# Altium PCB STM32_Serial_Ethernet.PcbDoc (part 1 of 2) (continued)
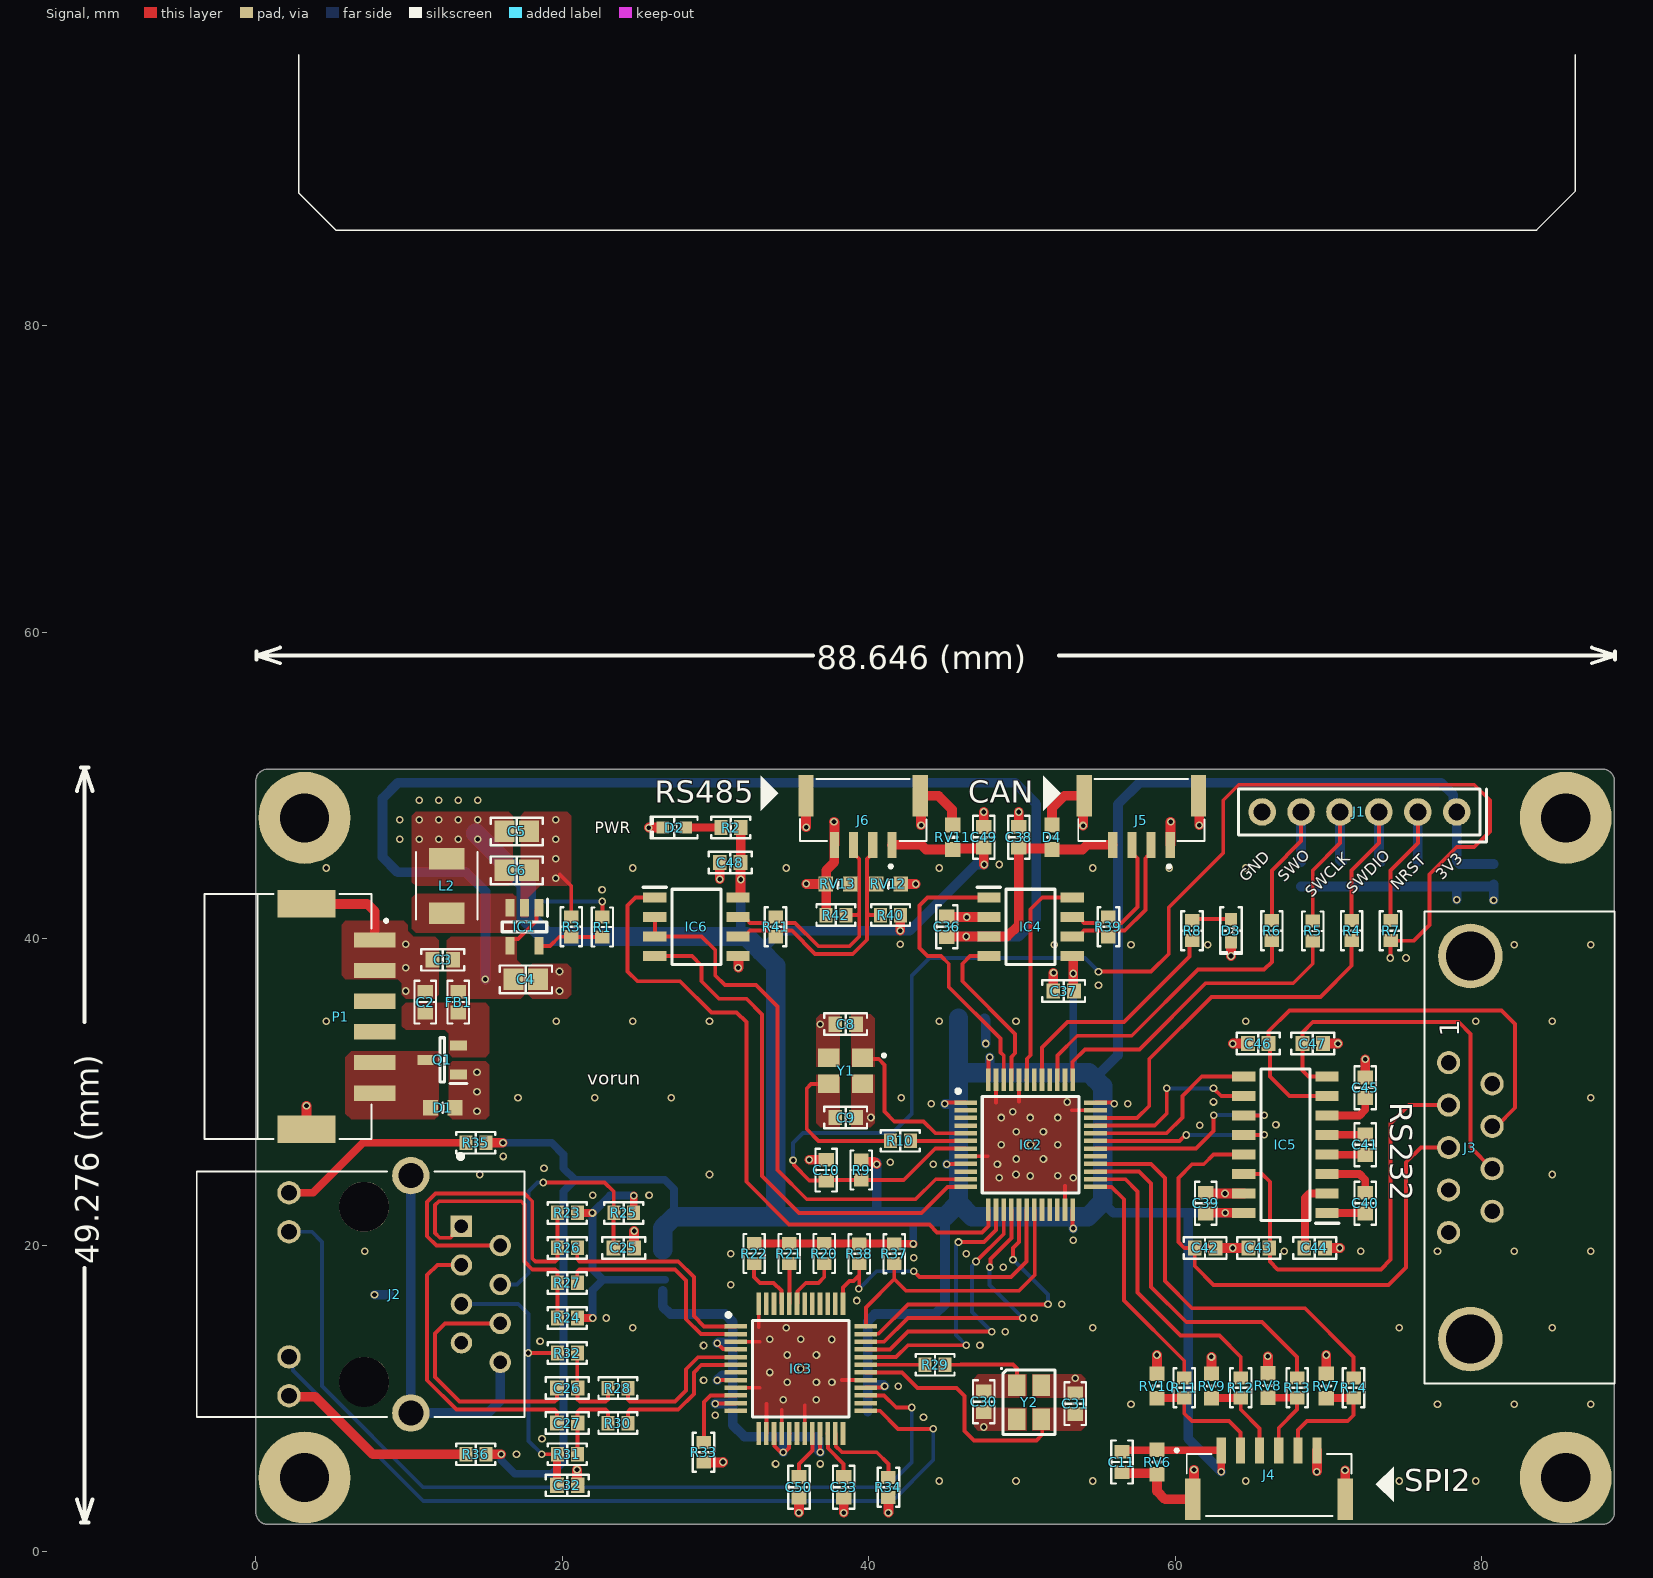
[diagram p0: Signal view]
## Classes and differential pairs
component class STM32: C2 C3 C4 C5 C6 C7 C8 C9 C10 C11 C12 C13 C14 C15 C16 C17 D1 D2 D3 FB1 IC1 IC2 J1 J4 L2 P1 Q1 R1 R2 R3 R4 R5 R6 R7 R8 R9 R10 R11 R12 R13 R14 RV1 RV2 RV3 RV4 RV5 RV6 RV7 RV8 RV9 RV10 Y1
component class Serial: C36 C37 C38 C39 C40 C41 C42 C43 C44 C45 C46 C47 C48 C49 D4 IC4 IC5 IC6 J3 J5 J6 R39 R40 R41 R42 RV11 RV12 RV13
component class Ethernet: C1 C18 C19 C20 C21 C22 C23 C24 C25 C26 C27 C29 C30 C31 C32 C33 C35 C50 FB2 IC3 J2 R20 R21 R22 R23 R24 R25 R26 R27 R28 R29 R30 R31 R32 R33 R34 R35 R36 R37 R38 Y2
differential pair TX: +TX_P -TX_N
differential pair TX1: +TX1_P -TX1_N
differential pair RX: +RX_P -RX_N
differential pair RX2: +RX2_P -RX2_N
differential pair RX1: +RX1_P -RX1_N
differential pair RS485_D: +RS485_D_P -RS485_D_N
differential pair CAN: +CAN_P -CAN_N

## Components (designator, comment, footprint, x,y, rotation, side; value= is the part's Value field where it differs from the comment)
C1 "4.7 µF" "CAP 0603_1608" 39.243,9.144 r0 bottom
C2 "0.1 µF" "CAP 0603_1608" 11.049,35.854 r270 top
C3 "0.1 µF" "CAP 0603_1608" 12.192,38.608 r0 top
C4 "4.7µF" "CAP 0805_2012" 17.615,37.338 r180 top
C5 "10 µF" "CAP 0805_2012" 17.018,46.99 r180 top
C6 "10 µF" "CAP 0805_2012" 17.018,44.45 r180 top
C7 "0.1 µF" "CAP 0603_1608" 80.772,44.196 r270 bottom
C8 "10pF" "CAP 0603_1608" 38.481,34.417 r0 top
C9 "10pF" "CAP 0603_1608" 38.481,28.321 r180 top
C10 "0.1 µF" "CAP 0603_1608" 37.211,24.892 r90 top
C11 "0.1 µF" "CAP 0603_1608" 56.515,5.842 r90 top
C12 "4.7µF" "CAP 0805_2012" 46.736,34.798 r180 bottom
C13 "0.1 µF" "CAP 0603_1608" 49.403,30.353 r270 bottom
C14 "0.1 µF" "CAP 0603_1608" 46.736,29.21 r0 bottom
C15 "0.1 µF" "CAP 0603_1608" 46.776,25.273 r0 bottom
C16 "0.1 µF" "CAP 0603_1608" 53.34,22.733 r90 bottom
C17 "0.1 µF" "CAP 0603_1608" 54.356,29.21 r180 bottom
C18 "0.1 µF" "CAP 0603_1608" 29.25,19.431 r0 bottom
C19 "0.1 µF" "CAP 0603_1608" 29.25,17.399 r0 bottom
C20 "0.1 µF" "CAP 0603_1608" 31.79,13.843 r0 bottom
C21 "0.1 µF" "CAP 0603_1608" 36.576,8.168 r90 bottom
C22 "0.1 µF" "CAP 0603_1608" 34.417,8.168 r90 bottom
C23 "0.1 µF" "CAP 0603_1608" 31.79,11.684 r0 bottom
C24 "0.1 µF" "CAP 0603_1608" 31.75,9.652 r0 bottom
C25 "10000pF" "CAP 0603_1608" 24.003,19.812 r180 top
C26 "6800pF" "CAP 0603_1608" 20.32,10.668 r180 top
C27 "6800pF" "CAP 0603_1608" 20.32,8.382 r180 top
C29 "0.1 µF" "CAP 0603_1608" 39.243,11.049 r180 bottom
C30 "18 pF" "CAP 0603_1608" 47.498,9.779 r90 top
C31 "18 pF" "CAP 0603_1608" 53.467,9.652 r270 top
C32 "10000pF" "CAP 0603_1608" 20.32,4.318 r180 top
C33 "10000pF" "CAP 0603_1608" 38.354,4.191 r90 top
C35 "10000pF" "CAP 0603_1608" 9.398,16.764 r180 bottom
C36 "0.1 µF" "CAP 0603_1608" 45.085,40.767 r90 top
C37 "0.1 µF" "CAP 0603_1608" 52.705,36.576 r0 top
C38 "0.1 µF" "CAP 0603_1608" 49.784,46.609 r270 top
C39 "0.1 µF" "CAP 0603_1608" 61.976,22.733 r270 top
C40 "0.1 µF" "CAP 0603_1608" 72.39,22.733 r90 top
C41 "0.1 µF" "CAP 0603_1608" 72.39,26.543 r90 top
C42 "150 pF" "CAP 0603_1608" 61.936,19.812 r180 top
C43 "150 pF" "CAP 0603_1608" 65.445,19.812 r0 top
C44 "0.1 µF" "CAP 0603_1608" 69.088,19.812 r180 top
C45 "0.1 µF" "CAP 0603_1608" 72.39,30.266 r270 top
C46 "150 pF" "CAP 0603_1608" 65.405,33.147 r0 top
C47 "150 pF" "CAP 0603_1608" 68.961,33.147 r180 top
C48 "0.1 µF" "CAP 0603_1608" 30.948,44.958 r180 top
C49 "0.1 µF" "CAP 0603_1608" 47.498,46.609 r270 top
C50 "4.7 µF" "CAP 0603_1608" 35.433,4.191 r90 top
D1 "CG0603MLC-05EA" DIONC1608X55N 12.192,28.956 r180 top
D2 "Red" "LED 0603_1608 RED" 27.293,47.244 r180 top
D3 "Green" "LED 0603_1608 GREEN" 63.627,40.513 r270 top
D4 "CG0603MLC-05EA" DIONC1608X55N 51.943,46.609 r270 top
FB1 "120 Ohms @ 100 MHz" "FER 0603_1608" 13.208,35.854 r90 top
FB2 "120 Ohms @ 100 MHz" "FER 0603_1608" 26.71,18.415 r270 bottom
IC1 "TLV62569DBVR" SOT95P280X145-5N 17.526,40.767 r270 top
IC2 "STM32F103C8T6" QFP50P900X900X160-48N 50.546,26.543 r0 top
IC3 "W5500" QFP50P900X900X160-48N 35.56,11.938 r0 top
IC4 "TJA1051T_3_CM,118" SOIC127P600X175-8N 50.546,40.767 r0 top
IC5 "MAX3232ECD" SOIC127P600X175-16N 67.183,26.543 r180 top
IC6 "SP3494CN-L_TR" SOIC127P600X175-8N 28.747,40.767 r0 top
J1 "G800W302018EU" G800W302018EU 72.009,48.26 r270 top
J2 "HR911105A" HANRUN_HR911105A 7.059,16.785 r90 top
J3 "618009211821" 618009211821 79.248,26.362 r90 top
J4 "SM06B-GHS-TB(LF)(SN)" JST_SM06B-GHS-TB(LF)(SN) 66.117,4.729 r0 top
J5 "SM04B-GHS-TB(LF)(SN)-" JST_SM04B-GHS-TB(LF)(SN)- 57.785,48.387 r180 top
J6 "SM04B-GHS-TB(LF)(SN)-" JST_SM04B-GHS-TB(LF)(SN)- 39.624,48.387 r180 top
L2 "AMDLA4020S-2R2MT" IND_AMDLA4020S-2R2MT 12.446,43.434 r90 top
P1 "502494-0670" MOLEX_502494-0670 7.747,34.909 r270 top
Q1 "DMP2045U-7" SOT96P240X110-3N 12.158,32.075 r180 top
R1 "453 kOhms" "RES 0603_1608" 22.606,40.752 r90 top
R2 "510 Ohms" "RES 0603_1608" 30.988,47.244 r0 top
R3 "100 kOhms" "RES 0603_1608" 20.574,40.767 r90 top
R4 "33 Ohms" "RES 0603_1608" 71.501,40.513 r90 top
R5 "33 Ohms" "RES 0603_1608" 68.961,40.498 r90 top
R6 "33 Ohms" "RES 0603_1608" 66.294,40.513 r90 top
R7 "33 Ohms" "RES 0603_1608" 74.041,40.513 r90 top
R8 "510 Ohms" "RES 0603_1608" 61.087,40.513 r270 top
R9 "10 kOhms" "RES 0603_1608" 39.497,24.892 r270 top
R10 "33 Ohms" "RES 0603_1608" 42.052,26.797 r0 top
R11 "33 Ohms" "RES 0603_1608" 60.579,10.683 r270 top
R12 "33 Ohms" "RES 0603_1608" 64.262,10.683 r270 top
R13 "33 Ohms" "RES 0603_1608" 67.945,10.683 r270 top
R14 "33 Ohms" "RES 0603_1608" 71.628,10.683 r270 top
R20 "10 kOhms" "RES 0603_1608" 37.084,19.446 r90 top
R21 "10 kOhms" "RES 0603_1608" 34.798,19.446 r90 top
R22 "10 kOhms" "RES 0603_1608" 32.512,19.446 r90 top
R23 "49.9 Ohms" "RES 0603_1608" 20.32,22.098 r0 top
R24 "49.9 Ohms" "RES 0603_1608" 20.32,15.24 r0 top
R25 "10 Ohms" "RES 0603_1608" 24.003,22.098 r0 top
R26 "33 Ohms" "RES 0603_1608" 20.32,19.812 r180 top
R27 "33 Ohms" "RES 0603_1608" 20.32,17.526 r180 top
R28 "33 Ohms" "RES 0603_1608" 23.622,10.668 r180 top
R29 "33 Ohms" "RES 0603_1608" 44.319,12.188 r180 top
R30 "33 Ohms" "RES 0603_1608" 23.622,8.382 r180 top
R31 "49.9 Ohms" "RES 0603_1608" 20.32,6.35 r0 top
R32 "49.9 Ohms" "RES 0603_1608" 20.32,12.954 r0 top
R33 "12.4 kOhms" "RES 0603_1608" 29.21,6.477 r90 top
R34 "10 kOhms" "RES 0603_1608" 41.275,4.191 r270 top
R35 "510 Ohms" "RES 0603_1608" 14.351,26.67 r0 top
R36 "510 Ohms" "RES 0603_1608" 14.351,6.35 r0 top
R37 "10 kOhms" "RES 0603_1608" 41.656,19.431 r270 top
R38 "10 kOhms" "RES 0603_1608" 39.37,19.431 r90 top
R39 "120 Ohms" "RES 0603_1608" 55.626,40.767 r90 top
R40 "390 Ohms" "RES 0603_1608" 41.417,41.529 r0 top
R41 "120 Ohms" "RES 0603_1608" 33.909,40.767 r270 top
R42 "390 Ohms" "RES 0603_1608" 37.846,41.529 r0 top
RV1 "CG0603MLC-3.3LE" VARC1608X55N 78.359,44.196 r90 bottom
RV2 "CG0603MLC-3.3LE" VARC1608X55N 75.819,44.196 r90 bottom
RV3 "CG0603MLC-3.3LE" VARC1608X55N 68.199,44.196 r90 bottom
RV4 "CG0603MLC-3.3LE" VARC1608X55N 70.739,44.196 r90 bottom
RV5 "CG0603MLC-3.3LE" VARC1608X55N 73.279,44.196 r90 bottom
RV6 "CG0603MLC-3.3LE" VARC1608X55N 58.801,5.842 r90 top
RV7 "CG0603MLC-3.3LE" VARC1608X55N 69.85,10.795 r270 top
RV8 "CG0603MLC-3.3LE" VARC1608X55N 66.04,10.833 r270 top
RV9 "CG0603MLC-3.3LE" VARC1608X55N 62.357,10.795 r270 top
RV10 "CG0603MLC-3.3LE" VARC1608X55N 58.801,10.795 r270 top
RV11 "CG0603MLC-3.3LE" VARC1608X55N 45.466,46.609 r270 top
RV12 "CG0603MLC-3.3LE" VARC1608X55N 41.275,43.561 r180 top
RV13 "CG0603MLC-3.3LE" VARC1608X55N 37.973,43.561 r0 top
Y1 "X322516MLB4SI" X322516MLB4SI 38.481,31.369 r180 top
Y2 "25 MHz" "EPSON TSX-3225" 50.457,9.736 r270 top

## Footprints (in the part's own frame and the unit in brackets; to place one, negate y for a bottom-side part, rotate by r counter-clockwise, add the part's x,y. Pads: shape width x height; smd on the part's side, far side on the other; paste and mask are expansions set on the pad)
618009211821 [mm]
  round 1.508 hole 1: 1(5.54,1.42) 2(2.77,1.42) 3(0,1.42) 4(-2.77,1.42) 5(-5.54,1.42) 6(4.155,-1.42) 7(1.385,-1.42) 8(-1.385,-1.42) 9(-4.155,-1.42)
  round 4.216 hole 3.2: Z1(-12.5,0) Z2(12.5,0)
  silkscreen extent -15.4,-9.42 15.4,3, body extent -15.4,-15.35 15.4,3.05, height 12.6
"CAP 0603_1608" [mm] "Chip Capacitor, 2-Leads, Body 1.60x0.80mm, IPC Medium Density"
  rect 0.9x1 smd: 1(-0.675,0) 2(0.675,0)
  silkscreen extent -1.4,-0.7 1.4,0.7, body extent -0.8,-0.41 0.8,0.41, height 0.82
"CAP 0805_2012" [mm] "Chip Capacitor, 2-Leads, Body 2.00x1.20mm, IPC Medium Density"
  rect 1.3x1.4 smd: 1(-0.8,0) 2(0.8,0)
  silkscreen extent -1.7,-0.9 1.7,0.9, body extent -1,-0.64 1,0.64, height 1.26
DIONC1608X55N [mm]
  rect 0.95x1 smd: 1(-0.8,0) 2(0.8,0)
  silkscreen extent 0,-0.3 0,0.3, body extent -0.8,-0.4 0.8,0.4, height 0.55
"EPSON TSX-3225" [mm] "Crystal, 4-Leads, Body 2.50x3.20mm, Pitch 2.20mm, IPC Medium Density"
  rect 1.4x1.15 smd: 1(-1.1,-0.8) 2(1.1,-0.8) 3(1.1,0.8) 4(-1.1,0.8)
  silkscreen extent -2.25,-1.85 2.1,1.7, body extent -1.61,-1.26 1.61,1.26, height 0.6
"FER 0603_1608" [mm] "Chip Ferrite, 2-Leads, Body 1.60x0.80mm, IPC Medium Density"
  rect 0.9x1 smd: 1(-0.675,0) 2(0.675,0)
  silkscreen extent -1.4,-0.7 1.4,0.7, body extent -0.8,-0.41 0.8,0.41, height 0.82
G800W302018EU [mm]
  round 1.8 hole 1.1 mask+0.07: 1(0,6.35) 2(0,3.81) 3(0,1.27) 4(0,-1.27) 5(0,-3.81) 6(0,-6.35)
  silkscreen extent -1.5,-7.9 1.97,8.3, body extent -1.25,-7.62 1.25,7.62, height 8.61
HANRUN_HR911105A [mm]
  rect 1.398x1.398 hole 0.89: 1(4.45,-6.35)
  round 1.398 hole 0.89: 2(3.18,-8.89) 3(1.91,-6.35) 4(0.64,-8.89) 5(-0.63,-6.35) 6(-1.9,-8.89) 7(-3.17,-6.35) 8(-4.44,-8.89)
  round 1.53 hole 1.02: 9(6.625,4.9) 10(4.085,4.9) 11(-4.085,4.9) 12(-6.625,4.9)
  round 2.445 hole 1.63: 15(7.745,-3.05) 16(-7.745,-3.05)
  round 3.25 hole 3.25 unplated: ""(-5.715,0) ""(5.715,0)
  silkscreen extent -8,-10.48 9.15,10.92, body extent -8.02,-10.4 8.02,10.9, height 13.5
IND_AMDLA4020S-2R2MT [mm]
  rect 1.395x2.3 smd: 1(-1.777,0) 2(1.777,0)
  silkscreen extent -2.2,-2 2.2,2, body extent -2.27,-2 2.27,2, height 1.8
JST_SM04B-GHS-TB(LF)(SN)- [mm]
  rect 0.6x1.7 smd: 1(-1.875,2.275) 2(-0.625,2.275) 3(0.625,2.275) 4(1.875,2.275)
  rect 1x2.7 smd: SH1(-3.725,-0.925) SH2(3.725,-0.925)
  silkscreen extent -4.13,-2.02 4.13,3.77, body extent -4.13,-2.03 4.13,2.82, height 4.35
JST_SM06B-GHS-TB(LF)(SN) [mm]
  rect 0.6x1.7 smd: 1(-3.125,1.875) 2(-1.875,1.875) 3(-0.625,1.875) 4(0.625,1.875) 5(1.875,1.875) 6(3.125,1.875)
  rect 1x2.7 smd: S1(-4.975,-1.325) S2(4.975,-1.325)
  silkscreen extent -6.13,-2.42 5.38,1.97, body extent -5.38,-2.54 5.37,2.31, height 4.25
"LED 0603_1608 GREEN" [mm] "Chip Diode, 2-Leads, Body 1.60x0.80mm, IPC Medium Density"
  rect 0.8x0.8 smd: 1(-0.75,0) 2(0.75,0)
  silkscreen extent -1.52,-0.7 1.52,0.7, body extent -0.8,-0.4 0.8,0.4, height 0.53
"LED 0603_1608 RED" [mm] "Chip Diode, 2-Leads, Body 1.60x0.80mm, IPC Medium Density"
  rect 0.8x0.8 smd: 1(-0.75,0) 2(0.75,0)
  silkscreen extent -1.52,-0.7 1.52,0.7, body extent -0.8,-0.4 0.8,0.4, height 0.53
MOLEX_502494-0670 [mm]
  rect 1x2.7 smd: 1(5,0) 2(3,0) 3(1,0) 4(-1,0) 5(-3,0) 6(-5,0)
  rect 1.8x3.8 smd: MP1(7.35,-4.45) MP2(-7.35,-4.45)
  silkscreen extent -8,-11.1 8,0.85, body extent -8,-7.65 8,0.85, height 6.86
QFP50P900X900X160-48N [mm]
  rect 1.475x0.3 smd mask+0.05: 1(-4.238,2.75) 2(-4.238,2.25) 3(-4.238,1.75) 4(-4.238,1.25) 5(-4.238,0.75) 6(-4.238,0.25) 7(-4.238,-0.25) 8(-4.238,-0.75) 9(-4.238,-1.25) 10(-4.238,-1.75) 11(-4.238,-2.25) 12(-4.238,-2.75) 25(4.238,-2.75) 26(4.238,-2.25) 27(4.238,-1.75) 28(4.238,-1.25) 29(4.238,-0.75) 30(4.238,-0.25) 31(4.238,0.25) 32(4.238,0.75) 33(4.238,1.25) 34(4.238,1.75) 35(4.238,2.25) 36(4.238,2.75)
  rect 0.3x1.475 smd mask+0.05: 13(-2.75,-4.238) 14(-2.25,-4.238) 15(-1.75,-4.238) 16(-1.25,-4.238) 17(-0.75,-4.238) 18(-0.25,-4.238) 19(0.25,-4.238) 20(0.75,-4.238) 21(1.25,-4.238) 22(1.75,-4.238) 23(2.25,-4.238) 24(2.75,-4.238) 37(2.75,4.238) 38(2.25,4.238) 39(1.75,4.238) 40(1.25,4.238) 41(0.75,4.238) 42(0.25,4.238) 43(-0.25,4.238) 44(-0.75,4.238) 45(-1.25,4.238) 46(-1.75,4.238) 47(-2.25,4.238) 48(-2.75,4.238)
  silkscreen extent -4.85,-3.15 3.15,3.62, body extent -4.5,-4.5 4.5,4.5, height 1.6
"RES 0603_1608" [mm] "Chip Resistor, 2-Leads, Body 1.60x0.80mm, IPC Medium Density"
  rect 0.85x0.95 smd: 1(-0.65,0) 2(0.65,0)
  silkscreen extent -1.27,-0.7 1.27,0.7, body extent -0.8,-0.4 0.8,0.4, height 0.45
SOIC127P600X175-8N [mm]
  rect 1.525x0.65 smd: 1(-2.712,1.905) 2(-2.712,0.635) 3(-2.712,-0.635) 4(-2.712,-1.905) 5(2.712,-1.905) 6(2.712,-0.635) 7(2.712,0.635) 8(2.712,1.905)
  silkscreen extent -3.47,-2.45 1.6,2.58, body extent -3,-2.45 3,2.45, height 1.75
SOIC127P600X175-16N [mm]
  rect 1.525x0.65 smd: 1(-2.712,4.445) 2(-2.712,3.175) 3(-2.712,1.905) 4(-2.712,0.635) 5(-2.712,-0.635) 6(-2.712,-1.905) 7(-2.712,-3.175) 8(-2.712,-4.445) 9(2.712,-4.445) 10(2.712,-3.175) 11(2.712,-1.905) 12(2.712,-0.635) 13(2.712,0.635) 14(2.712,1.905) 15(2.712,3.175) 16(2.712,4.445)
  silkscreen extent -3.47,-4.95 1.6,5.12, body extent -3.01,-4.94 3.01,4.96, height 1.75
SOT95P280X145-5N [mm]
  rect 1.15x0.6 smd: 1(-1.25,0.95) 2(-1.25,0) 3(-1.25,-0.95) 4(1.25,-0.95) 5(1.25,0.95)
  silkscreen extent -1.83,-1.45 0.33,1.5, body extent -1.4,-1.45 1.4,1.45, height 1.45
SOT96P240X110-3N [mm]
  rect 1.1x0.65 smd: 1(-1.05,0.96) 2(-1.05,-0.96) 3(1.05,0)
  silkscreen extent -1.6,-1.45 0.15,1.54, body extent -1.2,-1.45 1.2,1.45, height 1.1
VARC1608X55N [mm]
  rect 0.95x1 smd: 1(-0.8,0) 2(0.8,0)
  silkscreen extent 0,-0.3 0,0.3, body extent -0.8,-0.4 0.8,0.4, height 0.55
X322516MLB4SI [mm]
  rect 1.4x1.2 smd: 1(-1.1,-0.85) 2(1.1,-0.85) 3(1.1,0.85) 4(-1.1,0.85)
  silkscreen extent -2.6,-1.1 -2.4,-0.9, body extent -1.6,-1.25 1.6,1.25, height 0.7

## Part data
C1 C50: library part GRT188C81C475ME13D, "CAP CER 4.7UF 16V X6S 0603", Device Package="0603 (1608 Metric)", manufacturer="Murata Electronics", Operating Temperature="-55°C ~ 105°C", Ratings=AEC-Q200, Supplier Part Number 1=490-12290-1-ND, Temperature Coefficient=X6S, Tolerance=±20%, Voltage - Rated=16V, Applications=Automotive, Capacitance="4.7 µF", componentlink1description=Datasheet, componentlink1url=https://search.murata.co.jp/Ceramy/image/img/A01X/G101/ENG/GRT188C81C475ME13-01.pdf, componentlink2description="DigiKey Link", componentlink2url=https://www.digikey.com/en/products/detail/murata-electronics/GRT188C81C475ME13D/5416712, lastupdated="3/3/2023 08:08:51 PM", Lifecycle Status=Active, Minimum Order=1, Mounting Type="Surface Mount, MLCC", Package / Case="0603 (1608 Metric)", packaging=TapeAndReel, Part Number=GRT188C81C475ME13D, Part Status=Active, partid=2551, price=0.02, series=GRT, Size / Dimension="0.063\" L x 0.031\" W (1.60mm x 0.80mm)", Supplier 1=DigiKey, Thickness (Max)="0.035\" (0.90mm)"
C2 C3 C7 C10 C11 C13 C14 C15 C16 C17 C18 C19 C20 C21 C22 C23 C24 C29 C36 C37 C38 C39 C40 C41 C44 C45 C48 C49: library part CS0603KRX7R7BB104, "CAP CER 0.1UF 16V X7R 0603", Device Package="0603 (1608 Metric)", manufacturer=Yageo, Operating Temperature="-55°C ~ 125°C", Supplier Part Number 1=311-3560-1-ND, Temperature Coefficient=X7R, Tolerance=±10%, Voltage - Rated=16V, Applications="Boardflex Sensitive", Capacitance="0.1 µF", componentlink1description=Datasheet, componentlink1url=http://www.yageo.com/NewPortal/yageodocoutput?fileName=/pdf/MLCC/UPY-ST_NPOX7R_16V-to-3KV_5.pdf, componentlink2description="DigiKey Link", componentlink2url=https://www.digikey.com/en/products/detail/yageo/CS0603KRX7R7BB104/6097897, Features="Soft Termination", lastupdated="3/3/2023 08:08:52 PM", Lifecycle Status=Active, Minimum Order=1, Mounting Type="Surface Mount, MLCC", Package / Case="0603 (1608 Metric)", packaging=TapeAndReel, Part Number=CS0603KRX7R7BB104, Part Status=Active, partid=2286, price=0.01, series=CS, Size / Dimension="0.063\" L x 0.031\" W (1.60mm x 0.80mm)", Supplier 1=DigiKey, Thickness (Max)="0.037\" (0.95mm)"
C4 C12: library part 0805YC475MAT2A, "CAP CER 4.7UF 16V X7R 0805", Device Package="0805 (2012 Metric)", manufacturer="AVX Corporation", Operating Temperature="-55°C ~ 125°C", Supplier Part Number 1=478-10575-1-ND, Temperature Coefficient=X7R, Tolerance=±20%, Voltage - Rated=16V, Applications="General Purpose", Capacitance=4.7µF, componentlink1description=Datasheet, componentlink1url=http://datasheets.avx.com/X7RDielectric.pdf, componentlink2description="DigiKey Link", componentlink2url=http://digikey.com/product-detail/en/avx-corporation/0805YC475MAT2A/478-10575-1-ND/6797621, lastupdated="9/2/2020 01:04:40 AM", Lifecycle Status=Active, Minimum Order=1, Mounting Type="Surface Mount, MLCC", Package / Case="0805 (2012 Metric)", packaging=TapeAndReel, Part Number=0805YC475MAT2A, Part Status=Active, partid=3443, price=0.12, series=-, Size / Dimension="0.079\" L x 0.049\" W (2.01mm x 1.25mm)", Supplier 1=DigiKey, Thickness (Max)="0.060\" (1.52mm)"
C5 C6: library part C2012X6S1C106K125AC, "CAP CER 10UF 16V X6S 0805", Device Package="0805 (2012 Metric)", manufacturer="TDK Corporation", Operating Temperature="-55°C ~ 105°C", Supplier Part Number 1=445-7611-1-ND, Temperature Coefficient=X6S, Tolerance=±10%, Voltage - Rated=16V, Applications="General Purpose", Capacitance="10 µF", componentlink1description=Datasheet, componentlink1url=https://product.tdk.com/info/en/catalog/datasheets/mlcc_commercial_general_en.pdf?ref_disty=digikey, componentlink2description="DigiKey Link", componentlink2url=https://www.digikey.com/en/products/detail/tdk-corporation/C2012X6S1C106K125AC/2733046, Features="Low ESL", lastupdated="3/3/2023 08:12:18 PM", Lifecycle Status=Active, Minimum Order=1, Mounting Type="Surface Mount, MLCC", Package / Case="0805 (2012 Metric)", packaging=TapeAndReel, Part Number=C2012X6S1C106K125AC, Part Status=Active, partid=2995, price=0.07, series=C, Size / Dimension="0.079\" L x 0.049\" W (2.00mm x 1.25mm)", Supplier 1=DigiKey, Thickness (Max)="0.057\" (1.45mm)"
C8 C9: library part 06035A100J4T2A, "CAP CER 10PF 50V NP0 0603", Device Package="0603 (1608 Metric)", manufacturer="AVX Corporation", Operating Temperature="-55°C ~ 125°C", Ratings=AEC-Q200, Supplier Part Number 1=478-11607-1-ND, Temperature Coefficient="C0G, NP0", Tolerance=±5%, Voltage - Rated=50V, Applications=Automotive, Capacitance=10pF, componentlink1description=Datasheet, componentlink1url=http://datasheets.avx.com/AutoMLCC.pdf, componentlink2description="DigiKey Link", componentlink2url=http://digikey.com/product-detail/en/avx-corporation/06035A100J4T2A/478-11607-1-ND/8564165, lastupdated="9/2/2020 01:03:34 AM", Lifecycle Status=Active, Minimum Order=1, Mounting Type="Surface Mount, MLCC", Package / Case="0603 (1608 Metric)", packaging=TapeAndReel, Part Number=06035A100J4T2A, Part Status=Active, partid=3073, price=0.04, series=-, Size / Dimension="0.063\" L x 0.031\" W (1.60mm x 0.80mm)", Supplier 1=DigiKey, Thickness (Max)="0.035\" (0.90mm)"
C25 C32 C33 C35: library part 0603YC103JAT2A, "CAP CER 10000PF 16V X7R 0603", Device Package="0603 (1608 Metric)", manufacturer="AVX Corporation", Operating Temperature="-55°C ~ 125°C", Supplier Part Number 1=478-6208-1-ND, Temperature Coefficient=X7R, Tolerance=±5%, Voltage - Rated=16V, Applications="General Purpose", Capacitance=10000pF, componentlink1description=Datasheet, componentlink1url=http://datasheets.avx.com/X7RDielectric.pdf, componentlink2description="DigiKey Link", componentlink2url=http://digikey.com/product-detail/en/avx-corporation/0603YC103JAT2A/478-6208-1-ND/2391407, lastupdated="9/2/2020 01:03:35 AM", Lifecycle Status=Active, Minimum Order=1, Mounting Type="Surface Mount, MLCC", Package / Case="0603 (1608 Metric)", packaging=TapeAndReel, Part Number=0603YC103JAT2A, Part Status=Active, partid=2747, price=0.02, series=-, Size / Dimension="0.063\" L x 0.032\" W (1.60mm x 0.81mm)", Supplier 1=DigiKey, Thickness (Max)="0.035\" (0.90mm)"
C26 C27: library part 06035C682KAT2A, "CAP CER 6800PF 50V X7R 0603", Device Package="0603 (1608 Metric)", manufacturer="AVX Corporation", Operating Temperature="-55°C ~ 125°C", Supplier Part Number 1=478-1225-1-ND, Temperature Coefficient=X7R, Tolerance=±10%, Voltage - Rated=50V, Applications="General Purpose", Capacitance=6800pF, componentlink1description=Datasheet, componentlink1url=http://datasheets.avx.com/X7RDielectric.pdf, componentlink2description="DigiKey Link", componentlink2url=http://digikey.com/product-detail/en/avx-corporation/06035C682KAT2A/478-1225-1-ND/564257, lastupdated="9/2/2020 01:03:35 AM", Lifecycle Status=Active, Minimum Order=1, Mounting Type="Surface Mount, MLCC", Package / Case="0603 (1608 Metric)", packaging=TapeAndReel, Part Number=06035C682KAT2A, Part Status=Active, partid=2828, price=0.02, series=-, Size / Dimension="0.063\" L x 0.032\" W (1.60mm x 0.81mm)", Supplier 1=DigiKey, Thickness (Max)="0.035\" (0.90mm)"
C30 C31: library part VJ0603A180JXACW1BC, "CAP CER 18PF 50V C0G/NP0 0603", Device Package="0603 (1608 Metric)", manufacturer="Vishay Vitramon", Operating Temperature="-55°C ~ 125°C", Supplier Part Number 1=720-1524-1-ND, Temperature Coefficient="C0G, NP0", Tolerance=±5%, Voltage - Rated=50V, Applications="General Purpose", Capacitance="18 pF", componentlink1description=Datasheet, componentlink1url=https://www.vishay.com/docs/28548/vjw1bcbascomseries.pdf, componentlink2description="DigiKey Link", componentlink2url=https://www.digikey.com/en/products/detail/vishay-vitramon/VJ0603A180JXACW1BC/420843, lastupdated="3/3/2023 08:08:47 PM", Lifecycle Status=Active, Minimum Order=1, Mounting Type="Surface Mount, MLCC", Package / Case="0603 (1608 Metric)", packaging=TapeAndReel, Part Number=VJ0603A180JXACW1BC, Part Status=Active, partid=4200, price=0.01, series="VJ W1BC", Size / Dimension="0.063\" L x 0.031\" W (1.60mm x 0.80mm)", Supplier 1=DigiKey, Thickness (Max)="0.035\" (0.90mm)"
C42 C43 C46 C47: library part 885012206029, "CAP CER 150PF 16V X7R 0603", Device Package="0603 (1608 Metric)", manufacturer="Würth Elektronik", Operating Temperature="-55°C ~ 125°C", Supplier Part Number 1=732-7948-1-ND, Temperature Coefficient=X7R, Tolerance=±10%, Voltage - Rated=16V, Applications="General Purpose", Capacitance="150 pF", componentlink1description=Datasheet, componentlink1url=https://katalog.we-online.de/pbs/datasheet/885012206029.pdf, componentlink2description="DigiKey Link", componentlink2url=https://www.digikey.com/en/products/detail/würth-elektronik/885012206029/5453803, lastupdated="3/3/2023 08:08:49 PM", Lifecycle Status=Active, Minimum Order=1, Mounting Type="Surface Mount, MLCC", Package / Case="0603 (1608 Metric)", packaging=TapeAndReel, Part Number=885012206029, Part Status=Active, partid=3529, price=0.02, series=WCAP-CSGP, Size / Dimension="0.063\" L x 0.031\" W (1.60mm x 0.80mm)", Supplier 1=DigiKey, Thickness (Max)="0.034\" (0.87mm)"